# Allegro board 8880F5-0823_RXTX.brd (continued)
## Routing (per net, layer and track width the routed paths; a pad name or vN(x,y) marks a point on that pad's centre or on a via; arc(x,y) is an arc through that point) (continued)
; D321.A11 258.37,83.82 ; D321.A11 259.08,83.11 ; D317.A16 198.12,87.07 ; D317.A16 198.12,85.65 ; D317.A16 197.41,86.36 ; D317.A16 198.83,86.36 ; D106.A2 384.35,76.2 ; D106.A2 383.54,75.39 ; D106.A2 382.73,76.2 ; D106.A2 383.54,77.01 ; 331.93,391.16 D116.B7 ; D116.B7 332.74,391.97 ; D116.B7 332.74,390.35 ; D116.B7 333.55,391.16 ; 324.31,393.7 D116.A10 ; D116.A10 325.12,394.51 ; D116.A10 325.12,392.89 ; D116.A10 325.93,393.7 ; SITE4.G11 332.33,188.41 ; SITE4.G11 331.85,187.93 ; SITE4.G11 332.33,187.45 ; SITE4.G11 332.81,187.93 ; 187.15,60.96 D119.B12 ; D119.B12 187.96,61.77 ; D119.B12 188.77,60.96 ; D119.B12 187.96,60.15 ; D120.A2 162.56,36.37 ; D120.A2 161.75,35.56 ; D120.A2 163.37,35.56 ; D120.A2 162.56,34.75 ; D119.B11 185.42,59.23 ; D119.B11 184.61,58.42 ; D119.B11 185.42,57.61 ; D119.B11 186.23,58.42 ; 245.57,332.74 CSDPS225.B12 ; CSDPS225.B12 247.19,332.74 ; CSDPS225.B12 246.38,333.55 ; CSDPS225.B12 246.38,331.93 ; 415.75,355.6 D110.A3 ; D110.A3 416.56,356.41 ; D110.A3 416.56,354.79 ; D110.A3 417.37,355.6 ; D318.B7 175.97,68.58 ; D318.B7 175.26,69.29 ; D318.B7 175.26,67.87 ; D318.B7 174.55,68.58 ; D109.A6 408.94,333.55 ; D109.A6 408.13,332.74 ; D109.A6 408.94,331.93 ; D109.A6 409.75,332.74 ; D305.B9 402.03,88.9 ; D305.B9 401.32,89.61 ; D305.B9 400.61,88.9 ; D305.B9 401.32,88.19 ; SITE1.G13 249.03,243.31 ; SITE1.G13 248.55,242.83 ; SITE1.G13 249.51,242.83 ; SITE1.G13 249.03,242.35 ; SITE3.G12 253.81,187.93 ; SITE3.G12 253.33,187.45 ; SITE3.G12 252.85,187.93 ; SITE3.G12 253.33,188.41 ; SITE2.G9 330.33,248.41 ; SITE2.G9 330.81,247.93 ; SITE2.G9 330.33,247.45 ; SITE2.G9 329.85,247.93 ; 47.45,99.06 D125.B15 ; D125.B15 48.26,98.25 ; D125.B15 48.26,99.87 ; D125.B15 49.07,99.06 ; 337.82,37.29 D104.B13 ; D104.B13 337.01,38.1 ; D104.B13 338.63,38.1 ; D102.A16 345.44,77.01 ; D102.A16 346.25,76.2 ; D102.A16 344.63,76.2 ; D102.A16 345.44,75.39 ; 243.03,340.36 CSDPS425.C13 ; CSDPS425.C13 244.65,340.36 ; CSDPS425.C13 243.84,339.55 ; CSDPS425.C13 243.84,341.17 ; D103.B14 340.36,61.77 ; D103.B14 340.36,60.15 ; D103.B14 341.17,60.96 ; D103.B14 339.55,60.96 ; D112.B2 419.91,388.62 ; D112.B2 418.29,388.62 ; D112.B2 419.1,389.43 ; D112.B2 419.1,387.81 ; 415.75,38.1 D108.B15 ; D108.B15 417.37,38.1 ; D108.B15 416.56,37.29 ; D108.B15 416.56,38.91 ; D317.A7 175.97,83.82 ; D317.A7 174.55,83.82 ; D317.A7 175.26,84.53 ; D317.A7 175.26,83.11 ; CSDPS425.C11 249.73,340.36 ; CSDPS425.C11 248.11,340.36 ; CSDPS425.C11 248.92,339.55 ; CSDPS425.C11 248.92,341.17 ; 161.85,71.12 D318.B2 ; D318.B2 162.56,70.41 ; D318.B2 162.56,71.83 ; D318.B2 163.27,71.12 ; SITE4.G7 328.33,188.41 ; SITE4.G7 328.81,187.93 ; SITE4.G7 328.33,187.45 ; SITE4.G7 327.85,187.93 ; D318.B12 188.67,71.12 ; D318.B12 187.96,71.83 ; D318.B12 187.25,71.12 ; D318.B12 187.96,70.41 ; D113.A15 313.23,335.28 ; D113.A15 312.42,334.47 ; D113.A15 311.61,335.28 ; D113.A15 312.42,336.09 ; D123.A8 252.27,55.88 ; D123.A8 251.46,55.07 ; D123.A8 251.46,56.69 ; D123.A8 250.65,55.88 ; D103.B16 346.25,60.96 ; D103.B16 345.44,60.15 ; D103.B16 344.63,60.96 ; 93.98,80.47 D130.B4 ; D130.B4 93.17,81.28 ; D130.B4 94.79,81.28 ; D130.B4 93.98,82.09 ; SITE3.G8 249.33,188.41 ; SITE3.G8 248.85,187.93 ; SITE3.G8 249.33,187.45 ; SITE3.G8 249.81,187.93 ; D306.A3 386.79,63.5 ; D306.A3 385.37,63.5 ; D306.A3 386.08,64.21 ; D113.A13 317.5,336.09 ; D113.A13 318.31,335.28 ; D113.A13 317.5,334.47 ; D113.A13 316.69,335.28 ; D102.B7 323.39,78.74 ; D102.B7 322.58,77.93 ; D102.B7 321.77,78.74 ; D102.B7 322.58,79.55 ; D130.A1 87.17,73.66 ; D130.A1 86.36,72.85 ; D130.A1 86.36,74.47 ; D130.A1 85.55,73.66 ; D114.B5 337.82,351.33 ; D114.B5 337.01,350.52 ; D114.B5 338.63,350.52 ; D114.B5 337.82,349.71 ; 400.51,396.24 D112.A9 ; D112.A9 402.13,396.24 ; D112.A9 401.32,397.05 ; D112.A9 401.32,395.43 ; 182.17,66.04 D318.A10 ; D318.A10 182.88,66.75 ; D318.A10 183.59,66.04 ; D318.A10 182.88,65.33 ; D123.B11 259.89,58.42 ; D123.B11 259.08,57.61 ; D123.B11 259.08,59.23 ; D123.B11 258.27,58.42 ; 339.65,71.12 D302.B14 ; D302.B14 340.36,70.41 ; D302.B14 340.36,71.83 ; D302.B14 341.07,71.12 ; D118.B5 170.18,79.55 ; D118.B5 169.37,78.74 ; D118.B5 170.99,78.74 ; D118.B5 170.18,77.93 ; D111.A10 399.59,373.38 ; D111.A10 398.78,374.19 ; D111.A10 397.97,373.38 ; D111.A10 398.78,372.57 ; 42.37,99.06 D125.B13 ; D125.B13 43.18,99.87 ; D125.B13 43.18,98.25 ; D125.B13 43.99,99.06 ; D131.B15 121.92,59.23 ; D131.B15 121.11,58.42 ; D131.B15 122.73,58.42 ; D131.B15 121.92,57.61 ; D125.A1 13.51,93.98 ; D125.A1 12.7,93.17 ; D125.A1 12.7,94.79 ; D125.A1 11.89,93.98 ; 258.27,13.97 DPS3.A11 ; DPS3.A11 259.89,13.97 ; DPS3.A11 259.08,14.78 ; DPS3.A11 259.08,13.16 ; D115.A3 343.71,375.92 ; D115.A3 342.9,375.11 ; D115.A3 342.09,375.92 ; D115.A3 342.9,376.73 ; D123.A4 241.3,56.69 ; D123.A4 240.49,55.88 ; D123.A4 241.3,55.07 ; D123.A4 242.11,55.88 ; 180.34,370.03 D231.B9 ; D231.B9 180.34,371.65 ; D231.B9 181.15,370.84 ; D231.B9 179.53,370.84 ; D114.A4 341.17,353.06 ; D114.A4 340.36,353.87 ; D114.A4 339.55,353.06 ; D114.A4 340.36,352.25 ; D130.B3 92.25,78.74 ; D130.B3 91.44,77.93 ; D130.B3 91.44,79.55 ; D130.B3 90.63,78.74 ; D128.A2 16.05,35.56 ; D128.A2 15.24,34.75 ; D128.A2 15.24,36.37 ; D128.A2 14.43,35.56 ; 108.41,81.28 D130.B10 ; D130.B10 110.03,81.28 ; D130.B10 109.22,80.47 ; D130.B10 109.22,82.09 ; 504.95,202.51 S2_I2C.4 ; S2_I2C.4 505.89,203.45 ; S2_I2C.4 504.95,204.39 ; S2_I2C.4 504.01,203.45 ; 27.13,38.1 D128.B7 ; D128.B7 27.94,38.91 ; D128.B7 27.94,37.29 ; D128.B7 28.75,38.1 ; 321.77,73.66 D102.A7 ; D102.A7 322.58,74.47 ; D102.A7 322.58,72.85 ; D102.A7 323.39,73.66 ; D302.A5 317.5,64.21 ; D302.A5 318.21,63.5 ; D302.A5 316.79,63.5 ; D302.A5 317.5,62.79 ; D305.B15 416.56,89.61 ; D305.B15 417.27,88.9 ; D305.B15 416.56,88.19 ; D305.B15 415.85,88.9 ; D132.A9 107.49,33.02 ; D132.A9 106.68,33.83 ; D132.A9 106.68,32.21 ; D132.A9 105.87,33.02 ; D431.A3 196.39,386.08 ; D431.A3 195.58,386.89 ; D431.A3 194.77,386.08 ; D431.A3 195.58,385.27 ; 96.2,219.15 U2.4 ; U2.4 97.14,218.21 ; U2.4 98.08,219.15 ; DPS1.C01 381,19.86 ; DPS1.C01 381.81,19.05 ; DPS1.C01 380.19,19.05 ; DPS1.C01 381,18.24 ; 27.94,77.93 D126.B7 ; D126.B7 27.13,78.74 ; D126.B7 28.75,78.74 ; D126.B7 27.94,79.55 ; 309.07,388.62 D116.B16 ; D116.B16 309.88,389.43 ; D116.B16 309.88,387.81 ; D116.B16 310.69,388.62 ; DPS1.A15 417.37,13.97 ; DPS1.A15 415.75,13.97 ; DPS1.A15 416.56,14.78 ; DPS1.A15 416.56,13.16 ; D109.B6 408.94,328.47 ; D109.B6 408.13,327.66 ; D109.B6 408.94,326.85 ; D109.B6 409.75,327.66 ; D318.A13 191.21,63.5 ; D318.A13 189.79,63.5 ; D318.A13 190.5,64.21 ; 324.31,60.96 D103.B8 ; D103.B8 325.12,61.77 ; D103.B8 325.93,60.96 ; D103.B8 325.12,60.15 ; 25.4,95.71 D125.A6 ; D125.A6 24.59,96.52 ; D125.A6 25.4,97.33 ; D125.A6 26.21,96.52 ; 193.04,342.09 CSDPS429.B4 ; CSDPS429.B4 193.85,342.9 ; CSDPS429.B4 192.23,342.9 ; CSDPS429.B4 193.04,343.71 ; D317.A15 195.58,84.53 ; D317.A15 196.29,83.82 ; D317.A15 195.58,83.11 ; D317.A15 194.87,83.82 ; 392.89,35.56 D108.A6 ; D108.A6 394.51,35.56 ; D108.A6 393.7,34.75 ; D108.A6 393.7,36.37 ; D106.A1 381,74.47 ; D106.A1 381.81,73.66 ; D106.A1 380.19,73.66 ; D122.B5 244.65,78.74 ; D122.B5 243.03,78.74 ; D122.B5 243.84,79.55 ; D122.B5 243.84,77.93 ; 263.35,330.2 CSDPS225.C5 ; CSDPS225.C5 264.97,330.2 ; CSDPS225.C5 264.16,331.01 ; CSDPS225.C5 264.16,329.39 ; D131.A16 124.46,56.69 ; D131.A16 124.46,55.07 ; D131.A16 123.65,55.88 ; D131.A16 125.27,55.88 ; D123.B12 261.62,61.77 ; D123.B12 262.43,60.96 ; D123.B12 261.62,60.15 ; D123.B12 260.81,60.96 ; 319.23,55.88 D103.A6 ; D103.A6 320.04,55.07 ; D103.A6 320.04,56.69 ; D103.A6 320.85,55.88 ; D111.A2 419.91,373.38 ; D111.A2 419.1,374.19 ; D111.A2 419.1,372.57 ; D111.A2 418.29,373.38 ; 345.44,85.65 D301.A16 ; D301.A16 346.15,86.36 ; D301.A16 344.73,86.36 ; D301.A16 345.44,87.07 ; D106.B2 384.35,81.28 ; D106.B2 383.54,82.09 ; D106.B2 383.54,80.47 ; D106.B2 382.73,81.28 ; 321.87,88.9 D301.B7 ; D301.B7 322.58,89.61 ; D301.B7 322.58,88.19 ; D301.B7 323.29,88.9 ; 421.64,354.79 D110.A1 ; D110.A1 420.83,355.6 ; D110.A1 421.64,356.41 ; D110.A1 422.45,355.6 ; D301.B2 309.88,92.15 ; D301.B2 309.17,91.44 ; D301.B2 309.88,90.73 ; D301.B2 310.59,91.44 ; D125.A15 48.26,94.79 ; D125.A15 49.07,93.98 ; D125.A15 48.26,93.17 ; D125.A15 47.45,93.98 ; 317.5,37.29 D104.B5 ; D104.B5 316.69,38.1 ; D104.B5 318.31,38.1 ; 44.91,101.6 D125.B14 ; D125.B14 45.72,102.41 ; D125.B14 45.72,100.79 ; D125.B14 46.53,101.6 ; 311.71,88.9 D301.B3 ; D301.B3 313.13,88.9 ; D301.B3 312.42,89.61 ; D301.B3 312.42,88.19 ; 22.05,38.1 D128.B5 ; D128.B5 22.86,38.91 ; D128.B5 22.86,37.29 ; D128.B5 23.67,38.1 ; 328.85,247.93 SITE2.G8 ; SITE2.G8 329.33,247.45 ; SITE2.G8 329.81,247.93 ; SITE2.G8 329.33,248.41 ; 317.5,57.61 D103.B5 ; D103.B5 318.31,58.42 ; D103.B5 316.69,58.42 ; D103.B5 317.5,59.23 ; CSDPS425.B8 256.54,343.71 ; CSDPS425.B8 256.54,342.09 ; CSDPS425.B8 257.35,342.9 ; CSDPS425.B8 255.73,342.9 ; 345.44,372.57 D115.A2 ; D115.A2 344.63,373.38 ; D115.A2 345.44,374.19 ; D115.A2 346.25,373.38 ; D317.A5 170.89,83.82 ; D317.A5 170.18,84.53 ; D317.A5 169.47,83.82 ; D317.A5 170.18,83.11 ; D112.A6 409.75,393.7 ; D112.A6 408.94,392.89 ; D112.A6 408.94,394.51 ; D112.A6 408.13,393.7 ; 401.32,37.29 D108.B9 ; D108.B9 400.51,38.1 ; D108.B9 402.13,38.1 ; D108.B9 401.32,38.91 ; CSDPS429.C9 180.34,341.17 ; CSDPS429.C9 179.53,340.36 ; CSDPS429.C9 180.34,339.55 ; CSDPS429.C9 181.15,340.36 ; D302.B3 313.13,68.58 ; D302.B3 311.71,68.58 ; D302.B3 312.42,67.87 ; D302.B3 312.42,69.29 ; D123.A10 256.54,56.69 ; D123.A10 257.35,55.88 ; D123.A10 256.54,55.07 ; D123.A10 255.73,55.88 ; 268.53,88.9 D321.B15 ; D321.B15 269.24,89.61 ; D321.B15 269.95,88.9 ; D321.B15 269.24,88.19 ; D431.B13 170.99,381 ; D431.B13 170.18,380.19 ; D431.B13 169.37,381 ; D431.B13 170.18,381.81 ; D107.A2 384.35,55.88 ; D107.A2 382.73,55.88 ; D107.A2 383.54,56.69 ; D118.B12 188.77,81.28 ; D118.B12 187.96,82.09 ; D118.B12 187.96,80.47 ; D118.B12 187.15,81.28 ; 200.66,414.48 DPS8.A01 ; DPS8.A01 201.47,415.29 ; DPS8.A01 199.85,415.29 ; DPS8.A01 200.66,416.1 ; 161.85,86.36 D317.A2 ; D317.A2 162.56,85.65 ; D317.A2 163.27,86.36 ; D317.A2 162.56,87.07 ; 248.11,73.66 D122.A7 ; D122.A7 248.92,74.47 ; D122.A7 248.92,72.85 ; D122.A7 249.73,73.66 ; CSDPS229.B14 168.45,332.74 ; CSDPS229.B14 166.83,332.74 ; CSDPS229.B14 167.64,333.55 ; CSDPS229.B14 167.64,331.93 ; 195.58,380.19 D431.B3 ; D431.B3 194.77,381 ; D431.B3 195.58,381.81 ; D431.B3 196.39,381 ; D301.B15 342.9,89.61 ; D301.B15 342.9,88.19 ; D301.B15 342.19,88.9 ; D301.B15 343.61,88.9 ; D106.A14 414.83,76.2 ; D106.A14 414.02,77.01 ; D106.A14 413.21,76.2 ; D106.A14 414.02,75.39 ; CSDPS425.B16 236.22,343.71 ; CSDPS425.B16 236.22,342.09 ; CSDPS425.B16 237.03,342.9 ; CSDPS425.B16 235.41,342.9 ; D131.A15 122.73,53.34 ; D131.A15 121.92,54.15 ; D131.A15 121.11,53.34 ; D131.A15 121.92,52.53 ; D110.B15 386.08,351.33 ; D110.B15 385.27,350.52 ; D110.B15 386.89,350.52 ; D110.B15 386.08,349.71 ; 314.96,85.65 D301.A4 ; D301.A4 315.67,86.36 ; D301.A4 314.25,86.36 ; D301.A4 314.96,87.07 ; D131.A13 117.65,53.34 ; D131.A13 116.84,52.53 ; D131.A13 116.84,54.15 ; D131.A13 116.03,53.34 ; 116.84,77.93 D130.B13 ; D130.B13 116.84,79.55 ; D130.B13 116.03,78.74 ; D130.B13 117.65,78.74 ; 268.43,13.97 DPS3.A15 ; DPS3.A15 270.05,13.97 ; DPS3.A15 269.24,13.16 ; DPS3.A15 269.24,14.78 ; D114.B11 323.39,350.52 ; D114.B11 321.77,350.52 ; D114.B11 322.58,349.71 ; D114.B11 322.58,351.33 ; 415.75,330.2 D109.B3 ; D109.B3 416.56,331.01 ; D109.B3 416.56,329.39 ; D123.B2 236.22,61.77 ; D123.B2 237.03,60.96 ; D123.B2 236.22,60.15 ; D123.B2 235.41,60.96 ; 312.42,72.85 D102.A3 ; D102.A3 311.61,73.66 ; D102.A3 313.23,73.66 ; D102.A3 312.42,74.47 ; 403.86,34.75 D108.A10 ; D108.A10 404.67,35.56 ; D108.A10 403.86,36.37 ; D108.A10 403.05,35.56 ; D119.B7 176.07,58.42 ; D119.B7 175.26,57.61 ; D119.B7 175.26,59.23 ; D119.B7 174.45,58.42 ; D322.B3 238.76,69.29 ; D322.B3 238.05,68.58 ; D322.B3 238.76,67.87 ; D322.B3 239.47,68.58 ; 172.72,342.09 CSDPS429.B12 ; CSDPS429.B12 171.91,342.9 ; CSDPS429.B12 172.72,343.71 ; CSDPS429.B12 173.53,342.9 ; 337.01,58.42 D103.B13 ; D103.B13 338.63,58.42 ; D103.B13 337.82,57.61 ; D103.B13 337.82,59.23 ; SITE1.G14 250.23,243.31 ; SITE1.G14 250.71,242.83 ; SITE1.G14 250.23,242.35 ; SITE1.G14 249.75,242.83 ; 236.22,331.93 CSDPS225.B16 ; CSDPS225.B16 235.41,332.74 ; CSDPS225.B16 236.22,333.55 ; CSDPS225.B16 237.03,332.74 ; 312.42,329.39 D113.B15 ; D113.B15 311.61,330.2 ; D113.B15 313.23,330.2 ; D113.B15 312.42,331.01 ; D106.B4 388.62,82.09 ; D106.B4 388.62,80.47 ; D106.B4 389.43,81.28 ; D106.B4 387.81,81.28 ; 189.69,33.02 D120.A13 ; D120.A13 191.31,33.02 ; D120.A13 190.5,33.83 ; D120.A13 190.5,32.21 ; 37.29,53.34 D127.A11 ; D127.A11 38.91,53.34 ; D127.A11 38.1,52.53 ; D127.A11 38.1,54.15 ; 187.15,368.3 D231.B6 ; D231.B6 187.96,369.11 ; D231.B6 187.96,367.49 ; D231.B6 188.77,368.3 ; D322.B9 254.71,68.58 ; D322.B9 254,67.87 ; D322.B9 253.29,68.58 ; D322.B9 254,69.29 ; D231.A12 172.72,374.19 ; D231.A12 171.91,373.38 ; D231.A12 173.53,373.38 ; D231.A12 172.72,372.57 ; D103.A13 337.82,54.15 ; D103.A13 337.82,52.53 ; D103.A13 337.01,53.34 ; D103.A13 338.63,53.34 ; 408.94,80.47 D106.B12 ; D106.B12 408.13,81.28 ; D106.B12 408.94,82.09 ; D106.B12 409.75,81.28 ; D322.B13 264.16,69.29 ; D322.B13 263.45,68.58 ; D322.B13 264.16,67.87 ; D322.B13 264.87,68.58 ; D122.A14 266.7,77.01 ; D122.A14 265.89,76.2 ; D122.A14 266.7,75.39 ; D122.A14 267.51,76.2 ; 39.83,96.52 D125.A12 ; D125.A12 41.45,96.52 ; D125.A12 40.64,97.33 ; D125.A12 40.64,95.71 ; 177.8,34.75 D120.A8 ; D120.A8 178.61,35.56 ; D120.A8 177.8,36.37 ; D120.A8 176.99,35.56 ; CSDPS429.B2 198.12,343.71 ; CSDPS429.B2 198.93,342.9 ; CSDPS429.B2 198.12,342.09 ; CSDPS429.B2 197.31,342.9 ; 320.04,60.15 D103.B6 ; D103.B6 319.23,60.96 ; D103.B6 320.04,61.77 ; D103.B6 320.85,60.96 ; 45.72,60.15 D127.B14 ; D127.B14 46.53,60.96 ; D127.B14 44.91,60.96 ; D127.B14 45.72,61.77 ; 311.61,350.52 D114.B15 ; D114.B15 313.23,350.52 ; D114.B15 312.42,351.33 ; D114.B15 312.42,349.71 ; D113.B16 310.69,327.66 ; D113.B16 309.07,327.66 ; D113.B16 309.88,326.85 ; D113.B16 309.88,328.47 ; D112.A8 403.86,394.51 ; D112.A8 403.05,393.7 ; D112.A8 404.67,393.7 ; D112.A8 403.86,392.89 ; 413.31,71.12 D306.B14 ; D306.B14 414.73,71.12 ; D306.B14 414.02,70.41 ; D111.A4 414.02,374.19 ; D111.A4 414.02,372.57 ; D111.A4 413.21,373.38 ; D111.A4 414.83,373.38 ; 93.98,34.75 D132.A4 ; D132.A4 93.17,35.56 ; D132.A4 94.79,35.56 ; D132.A4 93.98,36.37 ; D120.B3 165.91,38.1 ; D120.B3 164.29,38.1 ; D120.B3 165.1,37.29 ; D120.B3 165.1,38.91 ; D126.B1 12.7,79.55 ; D126.B1 13.51,78.74 ; D126.B1 11.89,78.74 ; D126.B1 12.7,77.93 ; 260.91,66.04 D322.A12 ; D322.A12 261.62,65.33 ; D322.A12 261.62,66.75 ; D322.A12 262.33,66.04 ; D431.A13 170.18,386.89 ; D431.A13 170.99,386.08 ; D431.A13 170.18,385.27 ; D431.A13 169.37,386.08 ; 243.03,73.66 D122.A5 ; D122.A5 244.65,73.66 ; D122.A5 243.84,72.85 ; D122.A5 243.84,74.47 ; D107.A15 417.37,53.34 ; D107.A15 415.75,53.34 ; D107.A15 416.56,52.53 ; D107.A15 416.56,54.15 ; D301.A13 337.82,84.53 ; D301.A13 338.53,83.82 ; D301.A13 337.11,83.82 ; D318.B6 173.43,71.12 ; D318.B6 172.72,70.41 ; D318.B6 172.72,71.83 ; D318.B6 172.01,71.12 ; D107.B1 381.81,58.42 ; D107.B1 380.19,58.42 ; D107.B1 381,59.23 ; D107.B1 381,57.61 ; D321.B11 259.79,88.9 ; D321.B11 258.37,88.9 ; D321.B11 259.08,89.61 ; D321.B11 259.08,88.19 ; 329.39,55.88 D103.A10 ; D103.A10 330.2,55.07 ; D103.A10 331.01,55.88 ; D103.A10 330.2,56.69 ; 105.87,93.98 D129.A9 ; D129.A9 106.68,93.17 ; D129.A9 107.49,93.98 ; D129.A9 106.68,94.79 ; D122.A4 242.11,76.2 ; D122.A4 240.49,76.2 ; D122.A4 241.3,75.39 ; D122.A4 241.3,77.01 ; D108.B1 381,38.91 ; D108.B1 381,37.29 ; D108.B1 381.81,38.1 ; D108.B1 380.19,38.1 ; D122.A11 259.08,74.47 ; D122.A11 259.89,73.66 ; D122.A11 258.27,73.66 ; D122.A11 259.08,72.85 ; D125.B5 22.86,99.87 ; D125.B5 23.67,99.06 ; D125.B5 22.86,98.25 ; D125.B5 22.05,99.06 ; D123.B16 271.78,61.77 ; D123.B16 270.97,60.96 ; D123.B16 272.59,60.96 ; D123.B16 271.78,60.15 ; D116.A13 317.5,397.05 ; D116.A13 318.31,396.24 ; D116.A13 316.69,396.24 ; D116.A13 317.5,395.43 ; D322.A7 249.63,63.5 ; D322.A7 248.92,62.79 ; D322.A7 248.21,63.5 ; D322.A7 248.92,64.21 ; 100.79,53.34 D131.A7 ; D131.A7 101.6,52.53 ; D131.A7 101.6,54.15 ; D131.A7 102.41,53.34 ; D306.B12 409.65,71.12 ; D306.B12 408.23,71.12 ; D306.B12 408.94,70.41 ; D118.B16 198.12,82.09 ; D118.B16 198.12,80.47 ; D118.B16 197.31,81.28 ; D118.B16 198.93,81.28 ; 100.79,73.66 D130.A7 ; D130.A7 101.6,72.85 ; D130.A7 101.6,74.47 ; D130.A7 102.41,73.66 ; D108.A2 383.54,36.37 ; D108.A2 382.73,35.56 ; D108.A2 384.35,35.56 ; D108.A2 383.54,34.75 ; D107.A16 419.91,55.88 ; D107.A16 419.1,56.69 ; D107.A16 418.29,55.88 ; D104.B16 346.25,40.64 ; D104.B16 345.44,39.83 ; D104.B16 344.63,40.64 ; D104.B16 345.44,41.45 ; D113.B6 335.28,328.47 ; D113.B6 335.28,326.85 ; D113.B6 336.09,327.66 ; D113.B6 334.47,327.66 ; CSDPS225.B8 257.35,332.74 ; CSDPS225.B8 256.54,331.93 ; CSDPS225.B8 255.73,332.74 ; CSDPS225.B8 256.54,333.55 ; 200.66,375.11 D231.A1 ; D231.A1 201.47,375.92 ; D231.A1 199.85,375.92 ; D231.A1 200.66,376.73 ; 390.35,19.05 DPS1.C05 ; DPS1.C05 391.16,18.24 ; DPS1.C05 391.97,19.05 ; DPS1.C05 391.16,19.86 ; 255.73,40.64 D124.B10 ; D124.B10 256.54,39.83 ; D124.B10 256.54,41.45 ; D124.B10 257.35,40.64 ; D103.B12 336.09,60.96 ; D103.B12 335.28,60.15 ; D103.B12 334.47,60.96 ; D103.B12 335.28,61.77 ; 182.88,55.07 D119.A10 ; D119.A10 182.88,56.69 ; D119.A10 183.69,55.88 ; D119.A10 182.07,55.88 ; D306.B6 394.41,71.12 ; D306.B6 393.7,70.41 ; D306.B6 392.99,71.12 ; D122.A1 234.49,73.66 ; D122.A1 232.87,73.66 ; D122.A1 233.68,72.85 ; D122.A1 233.68,74.47 ; 396.24,37.29 D108.B7 ; D108.B7 396.24,38.91 ; D108.B7 397.05,38.1 ; D108.B7 395.43,38.1 ; D322.B15 269.24,69.29 ; D322.B15 268.53,68.58 ; D322.B15 269.95,68.58 ; D322.B15 269.24,67.87 ; 339.55,368.3 D115.B4 ; D115.B4 340.36,369.11 ; D115.B4 341.17,368.3 ; D115.B4 340.36,367.49 ; D127.B13 43.99,58.42 ; D127.B13 42.37,58.42 ; D127.B13 43.18,59.23 ; D127.B13 43.18,57.61 ; D118.A13 190.5,74.47 ; D118.A13 189.69,73.66 ; D118.A13 191.31,73.66 ; D118.A13 190.5,72.85 ; 164.29,58.42 D119.B3 ; D119.B3 165.1,59.23 ; D119.B3 165.1,57.61 ; D119.B3 165.91,58.42 ; D306.A15 416.56,64.21 ; D306.A15 417.27,63.5 ; D306.A15 415.85,63.5 ; 386.08,88.19 D305.B3 ; D305.B3 386.08,89.61 ; D305.B3 385.37,88.9 ; D305.B3 386.79,88.9 ; D116.B14 314.96,389.43 ; D116.B14 314.15,388.62 ; D116.B14 314.96,387.81 ; D116.B14 315.77,388.62 ; D305.B2 384.25,91.44 ; D305.B2 382.83,91.44 ; D305.B2 383.54,90.73 ; SITE1.G17 249.03,246.91 ; SITE1.G17 249.51,246.43 ; SITE1.G17 249.03,245.95 ; SITE1.G17 248.55,246.43 ; 390.35,78.74 D106.B5 ; D106.B5 391.16,77.93 ; D106.B5 391.16,79.55 ; D106.B5 391.97,78.74 ; 187.96,39.83 D120.B12 ; D120.B12 187.96,41.45 ; D120.B12 187.15,40.64 ; D120.B12 188.77,40.64 ; 337.01,78.74 D102.B13 ; D102.B13 337.82,77.93 ; D102.B13 338.63,78.74 ; D102.B13 337.82,79.55 ; 96.52,72.85 D130.A5 ; D130.A5 96.52,74.47 ; D130.A5 97.33,73.66 ; D130.A5 95.71,73.66 ; 410.77,63.5 D306.A13 ; D306.A13 411.48,64.21 ; D306.A13 412.19,63.5 ; 70.61,208.1 S1_I2C.4 ; S1_I2C.4 71.55,209.04 ; S1_I2C.4 70.61,209.98 ; S1_I2C.4 69.67,209.04 ; D106.A13 411.48,74.47 ; D106.A13 412.29,73.66 ; D106.A13 410.67,73.66 ; D106.A13 411.48,72.85 ; 170.18,72.85 D118.A5 ; D118.A5 170.99,73.66 ; D118.A5 169.37,73.66 ; D118.A5 170.18,74.47 ; 106.68,98.25 D129.B9 ; D129.B9 105.87,99.06 ; D129.B9 106.68,99.87 ; D129.B9 107.49,99.06 ; DPS2.C01 348.79,410.21 ; DPS2.C01 347.17,410.21 ; DPS2.C01 347.98,411.02 ; DPS2.C01 347.98,409.4 ; 347.17,370.84 D115.B1 ; D115.B1 348.79,370.84 ; D115.B1 347.98,370.03 ; D115.B1 347.98,371.65 ; 123.65,40.64 D132.B16 ; D132.B16 125.27,40.64 ; D132.B16 124.46,41.45 ; D132.B16 124.46,39.83 ; 317.5,329.39 D113.B13 ; D113.B13 318.31,330.2 ; D113.B13 316.69,330.2 ; D113.B13 317.5,331.01 ; 167.64,372.57 D231.A14 ; D231.A14 168.45,373.38 ; D231.A14 166.83,373.38 ; D231.A14 167.64,374.19 ; 398.07,66.04 D306.A8 ; D306.A8 398.78,66.75 ; D306.A8 399.49,66.04 ; D306.A8 398.78,65.33 ; D123.A16 271.78,56.69 ; D123.A16 270.97,55.88 ; D123.A16 272.59,55.88 ; D123.A16 271.78,55.07 ; D318.A2 162.56,66.75 ; D318.A2 163.27,66.04 ; D318.A2 161.85,66.04 ; D318.A2 162.56,65.33 ; 88.9,75.39 D130.A2 ; D130.A2 89.71,76.2 ; D130.A2 88.9,77.01 ; D130.A2 88.09,76.2 ; 88.9,100.79 D129.B2 ; D129.B2 88.09,101.6 ; D129.B2 89.71,101.6 ; D129.B2 88.9,102.41 ; D318.B10 183.59,71.12 ; D318.B10 182.88,70.41 ; D318.B10 182.17,71.12 ; D318.B10 182.88,71.83 ; 39.83,81.28 D126.B12 ; D126.B12 41.45,81.28 ; D126.B12 40.64,80.47 ; D126.B12 40.64,82.09 ; 197.31,60.96 D119.B16 ; D119.B16 198.12,60.15 ; D119.B16 198.93,60.96 ; D129.B12 114.3,102.41 ; D129.B12 114.3,100.79 ; D129.B12 115.11,101.6 ; D129.B12 113.49,101.6 ; 388.62,352.25 D110.A14 ; D110.A14 388.62,353.87 ; D110.A14 387.81,353.06 ; D110.A14 389.43,353.06 ; D120.A11 185.42,33.83 ; D120.A11 184.61,33.02 ; D120.A11 185.42,32.21 ; D120.A11 186.23,33.02 ; D231.A3 196.39,375.92 ; D231.A3 194.77,375.92 ; D231.A3 195.58,375.11 ; D231.A3 195.58,376.73 ; D111.B4 414.02,369.11 ; D111.B4 414.02,367.49 ; D111.B4 414.83,368.3 ; D111.B4 413.21,368.3 ; 252.63,245.95 SITE1.G20 ; SITE1.G20 252.15,246.43 ; SITE1.G20 252.63,246.91 ; SITE1.G20 253.11,246.43 ; D108.A8 399.59,35.56 ; D108.A8 398.78,36.37 ; D108.A8 397.97,35.56 ; D108.A8 398.78,34.75 ; 42.37,73.66 D126.A13 ; D126.A13 43.18,72.85 ; D126.A13 43.18,74.47 ; D126.A13 43.99,73.66 ; D109.A15 386.08,336.09 ; D109.A15 386.89,335.28 ; D109.A15 386.08,334.47 ; D109.A15 385.27,335.28 ; D123.A2 236.22,56.69 ; D123.A2 235.41,55.88 ; D123.A2 237.03,55.88 ; D123.A2 236.22,55.07 ; 85.55,58.42 D131.B1 ; D131.B1 86.36,59.23 ; D131.B1 86.36,57.61 ; D131.B1 87.17,58.42 ; 388.62,90.73 D305.B4 ; D305.B4 389.33,91.44 ; D305.B4 387.91,91.44 ; 185.4